# Altium PCB Fail 1.PcbDoc (part 1 of 2) (continued)
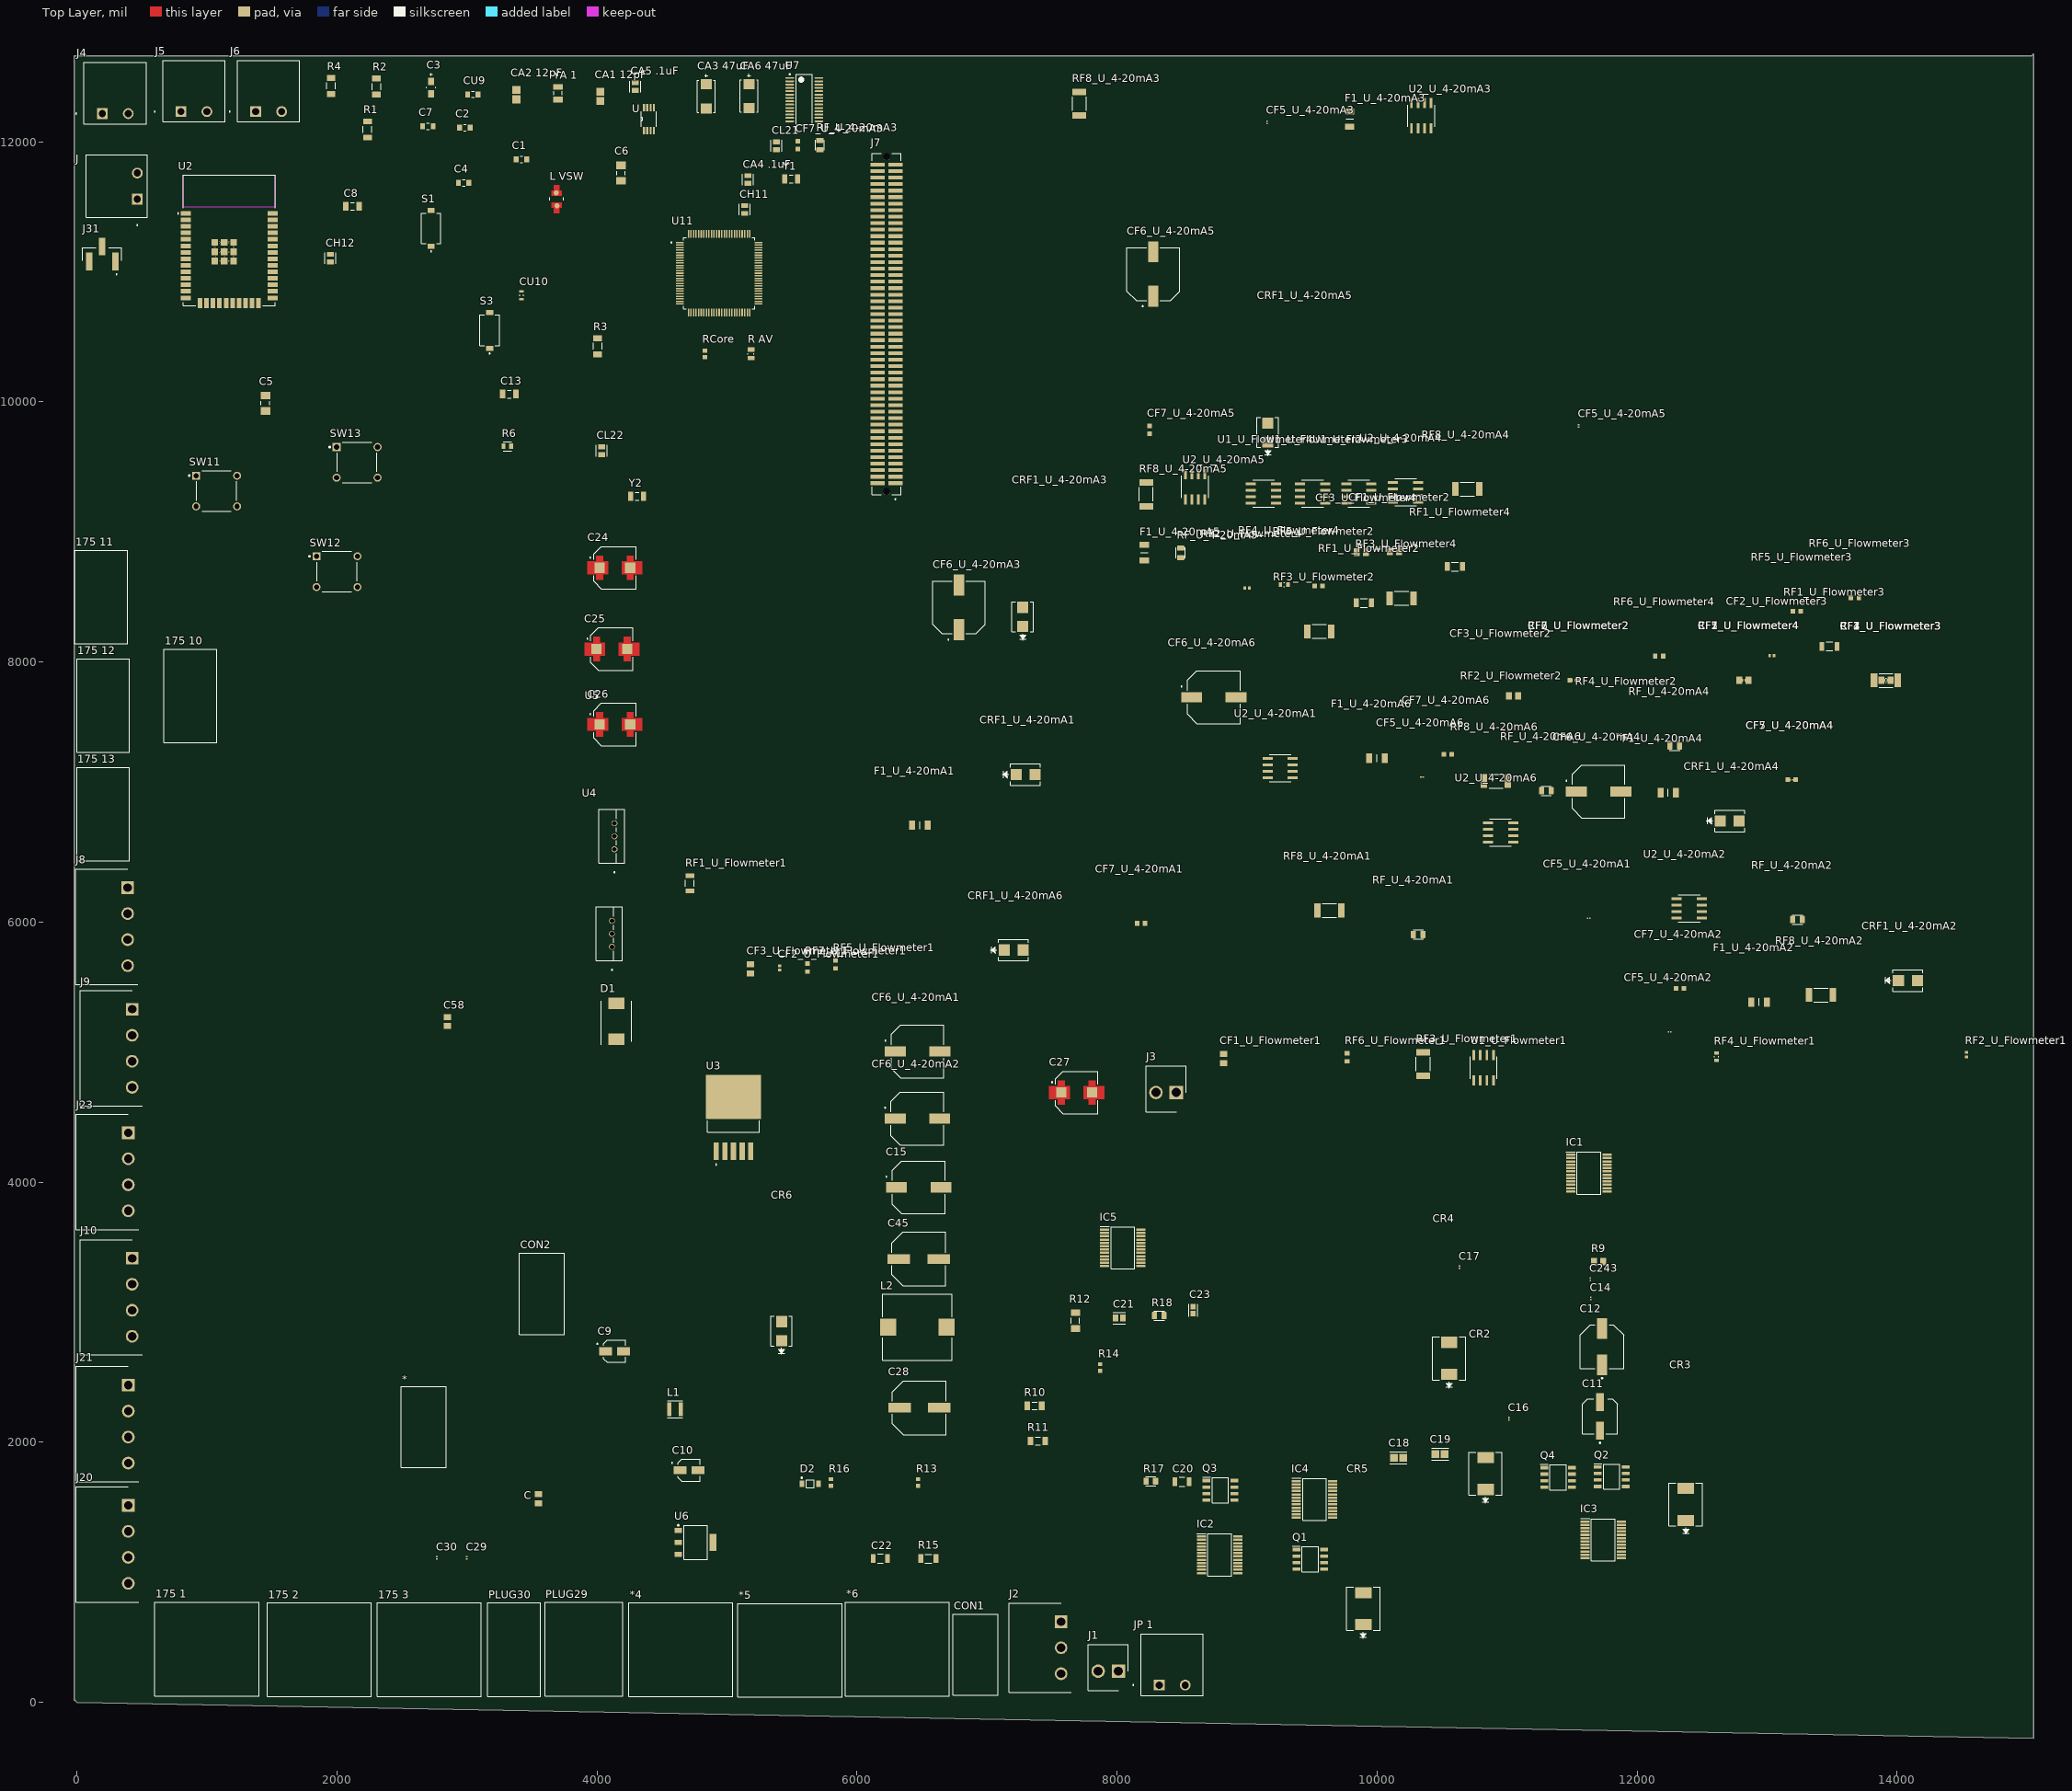
[diagram p0: Top Layer view]
## Components (designator, comment, footprint, x,y, rotation, side; value= is the part's Value field where it differs from the comment) (continued)
F1_U_4-20mA2 "0ZCJ0005FF2E" FUSC3216X85N 12940,5385 r0 top (schematic designator F1)
F1_U_4-20mA3 "0ZCJ0005FF2E" FUSC3216X85N 9790,12175 r90 top (schematic designator F1)
F1_U_4-20mA4 "0ZCJ0005FF2E" FUSC3216X85N 12240,6995 r0 top (schematic designator F1)
F1_U_4-20mA5 "0ZCJ0005FF2E" FUSC3216X85N 8210,8840 r90 top (schematic designator F1)
F1_U_4-20mA6 "0ZCJ0005FF2E" FUSC3216X85N 9999.84,7260 r0 top (schematic designator F1)
IC1 "LTC3780EG#PBF" SOP65P780X200-24N 11630,4070 r0 top
IC2 "LTC3780EG#PBF" SOP65P780X200-24N 8790,1135 r0 top
IC3 "LTC3780EG#PBF" SOP65P780X200-24N 11740,1250 r0 top
IC4 "LTC3780EG#PBF" SOP65P780X200-24N 9519.76,1560.75 r0 top
IC5 "LTC3780EG#PBF" SOP65P780X200-24N 8045,3495 r0 top
J "1757242" PHOENIX_1757242 307.5,11660 r90 top
J1 "26-48-1025" SHDR2W155P0X396_1X2_732X902X1468P 8010.91,240 r0 top
J2 "1757255" SHDRRA3W103P0X508_1X3_1724X1200X875P 7570,620 r90 top
J3 "26-48-1025" SHDR2W155P0X396_1X2_732X902X1468P 8455.91,4690 r0 top
J4 "1757242" PHOENIX_1757242 295,12375 r0 top
J5 "1757242" PHOENIX_1757242 900,12390 r0 top
J6 "1757242" PHOENIX_1757242 1475,12390 r0 top
J7 "TFM-150-22-L-D-A" SAMTEC_TFM-150-22-L-D-A 6227.52,10600 r90 top
J8 "1757268" SHDRRA4W103P0X508_1X4_2232X1200X875P 390.5,6265 r90 top
J9 "1757268" SHDRRA4W103P0X508_1X4_2232X1200X875P 425,5330 r90 top
J10 "1757268" SHDRRA4W103P0X508_1X4_2232X1200X875P 425,3415 r90 top
J20 "1757268" SHDRRA4W103P0X508_1X4_2232X1200X875P 395,1515 r90 top
J21 "1757268" SHDRRA4W103P0X508_1X4_2232X1200X875P 395,2440 r90 top
J23 "1757268" SHDRRA4W103P0X508_1X4_2232X1200X875P 395,4380 r90 top
J31 "TSM-103-01-T-SV-P-TR" SAMTEC_TSM-103-01-T-SV-P-TR 195,11137.52 r0 top
"JP 1" "1757242" PHOENIX_1757242 8425,290 r0 top
L1 "LQH3NPH101MMEL" IND_LQH3NPH101MMEL 4600,2255 r0 top
L2 "IHLP5050CEER4R7M01" FP-IHLP-5050CE-FP_3_175x3-MFG 6465,2885 r0 top
"L VSW" "LQH32MN4R7K23L" FP-LQH32CH_23-MFG 3690,11560 r90 top
PLUG29 "1762208" Connector_1762208 3880,405 r90 top
PLUG30 "1758364" Connector_1758364 3375,405 r90 top
Q1 "FDS5670" SOIC127P600X175-8N 9486.77,1100 r0 top
Q2 "FDS5670" SOIC127P600X175-8N 11805,1735 r0 top
Q3 "FDS5670" SOIC127P600X175-8N 8794.76,1630.75 r0 top
Q4 "FDS5670" SOIC127P600X175-8N 11393.23,1730 r0 top
R1 "RP73D2B10KBTG" FP-RP732B-MFG 2235,12095 r90 top value=10KΩ
R2 "RP73D2B10KBTG" FP-RP732B-MFG 2305,12425 r90 top value=10KΩ
R3 "RP73D2B10KBTG" FP-RP732B-MFG 4005,10427.99 r90 top value=10KΩ
R4 "RP73D2B10KBTG" FP-RP732B-MFG 1955,12430 r90 top value=10KΩ
R6 "CRCW060347K0FKEA" FP-CRCW0603-e3-MFG 3310.47,9660 r0 top
R9 "ERJ-6ENF10R0V" RESC2013X70X40NL20T20 11704.45,3390 r0 top
R10 "ERJ8BWFR018V" RESC3216X70X50NL05T20 7365,2280 r0 top
R11 "ERJ8BWFR018V" RESC3216X70X50NL05T20 7391.1,2010 r0 top
R12 "CRCW1206294KFKEA" RESC3216X60X45ML10T20 7680,2935 r90 top
R13 "ERJ3EKF1002V" RESC1609X55X30LL15T15 6469.76,1690.75 r90 top
R14 "ERJ3EKF1002V" RESC1609X55X30LL15T15 7870,2574.41 r90 top
R15 "RC1206JR-07100KL" RESC3116X65N 6548.27,1105 r0 top
R16 "ERJ3EKF1002V" RESC1609X55X30LL15T15 5799.76,1690.75 r90 top
R17 "CRGS0805J100R" RESC2012X65N 8259.76,1700.75 r0 top
R18 "CRGS0805J100R" RESC2012X65N 8325,2975 r0 top
"R AV" "CRCW08050000Z0EA" RESC2013X50X30LL20T20 5185,10370 r90 top
RCore "CRCW060391K0FKEA" RESC1609X50X30NL10T20 4830,10370 r90 top
RF1_U_Flowmeter1 "RC1206JR-07100KL" RESC3116X65N 4715,6298.27 r90 top (schematic designator RF1)
RF1_U_Flowmeter2 "RC1206JR-07100KL" RESC3116X65N 9900,8455 r0 top (schematic designator RF1)
RF1_U_Flowmeter3 "RC1206JR-07100KL" RESC3116X65N 13480,8120 r0 top (schematic designator RF1)
RF1_U_Flowmeter4 "RC1206JR-07100KL" RESC3116X65N 10600,8735 r0 top (schematic designator RF1)
RF2_U_Flowmeter1 "RC0402FR-073K3P" RESC1005X40N 14535,4980.71 r90 top (schematic designator RF2)
RF2_U_Flowmeter2 "RC0402FR-073K3P" RESC1005X40N 10995,7475 r0 top (schematic designator RF2)
RF2_U_Flowmeter3 "RC0402FR-073K3P" RESC1005X40N 13914.5,7859.5 r0 top (schematic designator RF2)
RF2_U_Flowmeter4 "RC0402FR-073K3P" RESC1005X40N 9000,8570 r0 top (schematic designator RF2)
RF3_U_Flowmeter1 "CRS2010AFX-1001ELF" RESC5025X70N 10355,4908.46 r90 top (schematic designator RF3)
RF3_U_Flowmeter2 "CRS2010AFX-1001ELF" RESC5025X70N 9555,8235 r0 top (schematic designator RF3)
RF3_U_Flowmeter3 "CRS2010AFX-1001ELF" RESC5025X70N 13914.5,7859.5 r0 top (schematic designator RF3)
RF3_U_Flowmeter4 "CRS2010AFX-1001ELF" RESC5025X70N 10188.46,8490 r0 top (schematic designator RF3)
RF4_U_Flowmeter1 "ERJS03F1004V" RES_ERJS03F1004V 12610,4965.71 r90 top (schematic designator RF4)
RF4_U_Flowmeter2 "ERJS03F1004V" RES_ERJS03F1004V 11878.54,7435 r0 top (schematic designator RF4)
RF4_U_Flowmeter3 "ERJS03F1004V" RES_ERJS03F1004V 13914.5,7859.5 r0 top (schematic designator RF4)
RF4_U_Flowmeter4 "ERJS03F1004V" RES_ERJS03F1004V 9286.46,8595 r0 top (schematic designator RF4)
RF5_U_Flowmeter1 "CR0603-JW-512ELF" RESC1608X55N 5835,5675 r90 top (schematic designator RF5)
RF5_U_Flowmeter2 "CR0603-JW-512ELF" RESC1608X55N 9550.71,8585 r0 top (schematic designator RF5)
RF5_U_Flowmeter3 "CR0603-JW-512ELF" RESC1608X55N 13229.29,8390 r0 top (schematic designator RF5)
RF5_U_Flowmeter4 "CR0603-JW-512ELF" RESC1608X55N 12822,7860 r0 top (schematic designator RF5)
RF6_U_Flowmeter1 "RT0603DRE072K21L" RESC1608X55N 9770,4960.71 r90 top (schematic designator RF6)
RF6_U_Flowmeter2 "RT0603DRE072K21L" RESC1608X55N 11513,7860 r0 top (schematic designator RF6)
RF6_U_Flowmeter3 "RT0603DRE072K21L" RESC1608X55N 13675.71,8495 r0 top (schematic designator RF6)
RF6_U_Flowmeter4 "RT0603DRE072K21L" RESC1608X55N 12170,8045 r0 top (schematic designator RF6)
RF7_U_Flowmeter1 "CR0603-JW-512ELF" RESC1608X55N 5620,5650 r90 top (schematic designator RF7)
RF7_U_Flowmeter2 "CR0603-JW-512ELF" RESC1608X55N 11513,7860 r0 top (schematic designator RF7)
RF7_U_Flowmeter3 "CR0603-JW-512ELF" RESC1608X55N 13914.5,7859.5 r0 top (schematic designator RF7)
RF7_U_Flowmeter4 "CR0603-JW-512ELF" RESC1608X55N 12822,7860 r0 top (schematic designator RF7)
RF8_U_4-20mA1 "CRS2010AFX-1001ELF" RESC5025X70N 9633.46,6090 r0 top (schematic designator RF8)
RF8_U_4-20mA2 "CRS2010AFX-1001ELF" RESC5025X70N 13415,5440 r0 top (schematic designator RF8)
RF8_U_4-20mA3 "CRS2010AFX-1001ELF" RESC5025X70N 7710,12293.46 r90 top (schematic designator RF8)
RF8_U_4-20mA4 "CRS2010AFX-1001ELF" RESC5025X70N 10695,9330 r0 top (schematic designator RF8)
RF8_U_4-20mA5 "CRS2010AFX-1001ELF" RESC5025X70N 8225,9290 r90 top (schematic designator RF8)
RF8_U_4-20mA6 "CRS2010AFX-1001ELF" RESC5025X70N 10915,7085 r0 top (schematic designator RF8)
RF_U_4-20mA1 "CRGS0805J100R" RESC2012X65N 10316.81,5905 r0 top (schematic designator RF)
RF_U_4-20mA2 "CRGS0805J100R" RESC2012X65N 13233.74,6020 r0 top (schematic designator RF)
RF_U_4-20mA3 "CRGS0805J100R" RESC2012X65N 5715,11975 r90 top (schematic designator RF)
RF_U_4-20mA4 "CRGS0805J100R" RESC2012X65N 12290,7355 r0 top (schematic designator RF)
RF_U_4-20mA5 "CRGS0805J100R" RESC2012X65N 8490,8840 r90 top (schematic designator RF)
RF_U_4-20mA6 "CRGS0805J100R" RESC2012X65N 11301.81,7010 r0 top (schematic designator RF)
S1 "ATS2D3G_NC_LFG" SW_ATS2D3G_NC_LFG 2725,11335 r90 top
S3 "ATS2D3G_NC_LFG" SW_ATS2D3G_NC_LFG 3175,10550 r90 top
SW11 "ESE-20C421" FP-ESE-20C421-MFG 1075,9315 r0 top
SW12 "ESE-20C421" FP-ESE-20C421-MFG 2000,8695 r0 top
SW13 "ESE-20C421" FP-ESE-20C421-MFG 2155,9535 r0 top
U "LTC6652AHMS8-2.5PBF" SOP65P490X110-8N 4400,12175 r90 top
U1_U_Flowmeter1 "LT1017IS8PBF" SO-8_S 10820,4880.71 r90 top (schematic designator U1)
U1_U_Flowmeter2 "LT1017IS8PBF" SO-8_S 9505,9294.99 r0 top (schematic designator U1)
U1_U_Flowmeter3 "LT1017IS8PBF" SO-8_S 9860,9295 r0 top (schematic designator U1)
U1_U_Flowmeter4 "LT1017IS8PBF" SO-8_S 9127,9294.99 r0 top (schematic designator U1)
U2 "ESP32-WROOM-32D" MODULE_ESP32-WROOM-32D 1172.13,11243.19 r0 top
U2_U_4-20mA1 "LT1990ACS8PBF" SO-8_S 9255,7185 r0 top (schematic designator U2)
U2_U_4-20mA2 "LT1990ACS8PBF" SO-8_S 12402,6105 r0 top (schematic designator U2)
U2_U_4-20mA3 "LT1990ACS8PBF" SO-8_S 10340,12200 r90 top (schematic designator U2)
U2_U_4-20mA4 "LT1990ACS8PBF" SO-8_S 10220,9305 r0 top (schematic designator U2)
U2_U_4-20mA5 "LT1990ACS8PBF" SO-8_S 8600,9347 r90 top (schematic designator U2)
U2_U_4-20mA6 "LT1990ACS8PBF" SO-8_S 10950,6690 r0 top (schematic designator U2)
U3 "LM2595S-5.0" VREG_TPS79625KTTR 5050,4655 r90 top
U4 "VF30100S-M3/4W" TO_0S-M3/4W_VIS 4115,5810 r90 top
U5 "VF30100S-M3/4W" TO_0S-M3/4W_VIS 4135,6560 r90 top
U6 "LT1121CST-3.3#TRPBF" LT-ST-3-SOT-223_N 4758.86,1230 r0 top
U7 "AD7718BRUZ" RU-28_N 5595,12325 r0 top
U11 "MSP432P401RIPZR" QFP50P1600X1600X160-100N 4940,10990 r0 top
Y1 "ABS07-120-32.768KHZ-T" ABRA-ABS07_A_V 5494.21,11715 r0 top
Y2 "ABS07-120-32.768KHZ-T" ABRA-ABS07_A_V 4310,9275 r0 top
"YA 1" "ABS07-32.768KHz-T" FP-ABS07-MFG 3700,12374.21 r90 top

## Footprints (in the part's own frame and the unit in brackets; to place one, negate y for a bottom-side part, rotate by r counter-clockwise, add the part's x,y. Pads: shape width x height; smd on the part's side, far side on the other; paste and mask are expansions set on the pad)
1KSMBSeries_LTF [mil]
  rect 86x86 smd paste+0 mask+0: 1(-73,0) 2(73,0)
  silkscreen extent -180,-82 115,82, body extent -110,-77 110,77, height 98
ABRA-ABS07_A_V [mm] "SMD, 2-Leads, Body 3.2x1.5mm"
  rect 1x1.8 smd: 1(-1.25,0) 2(1.25,0)
  silkscreen extent -0.35,-0.75 0.35,0.75, body extent -1.6,-0.75 1.6,0.75, height 0.9
CAP_EEEFK0J102AV [mm]
  rect 2x2 smd paste-2 mask+0: 1(-3,0) 2(3,0)
  Top Layer region: 3.65,1.25 5.35,1.25 5.35,-1.25 3.65,-1.25 3.65,-2.35 2.35,-2.35 2.35,-1.25 1.35,-1.25 1.35,1.25 2.35,1.25 2.35,2.35 3.65,2.35
  Top Layer region: -2.35,1.25 -1.35,1.25 -1.35,-1.25 -2.35,-1.25 -2.35,-2.35 -3.65,-2.35 -3.65,-1.25 -5.35,-1.25 -5.35,1.25 -3.65,1.25 -3.65,2.35 -2.35,2.35
  silkscreen extent -4.9,-4.15 4.15,4.15, body extent -4.85,-4.15 4.85,4.15, height 10.5
CAP_EEEFN1C470UR [mm]
  rect 2.5x1.6 smd: 1(-1.75,0) 2(1.75,0)
  silkscreen extent -3.45,-2.15 2.15,2.15, body extent -2.5,-2.15 2.5,2.15, height 5.81
CAP_EEVEB2V4R7Q [mm]
  rect 4.1x2 smd: 1(-4.35,0) 2(4.35,0)
  silkscreen extent -6.4,-5.15 5.15,5.15, body extent -5.85,-5.15 5.85,5.15, height 16.5
CAPC0402X22N [mm]
  rect 0.29x0.3 smd: 1(-0.222,0) 2(0.222,0)
  body extent -0.2,-0.1 0.2,0.1, height 0.22
CAPC1005X55N [mm]
  rect 0.53x0.6 smd: 1(-0.437,0) 2(0.437,0)
  body extent -0.5,-0.25 0.5,0.25, height 0.55
CAPC1608X90N [mm]
  rect 0.89x0.93 smd: 1(-0.77,0) 2(0.77,0)
  body extent -0.8,-0.4 0.8,0.4, height 0.9
CAPC1609X100X15LL20 [mm] "Chip Capacitor, 2-Leads, Body 1.60x0.85mm, IPC High Density"
  rect 0.45x0.95 smd: 1(-0.775,0) 2(0.775,0)
  silkscreen extent -0.15,-0.38 0.15,0.38, body extent -0.9,-0.53 0.9,0.53, height 1
CAPC2012X88N [mm]
  rect 1.16x1.47 smd: 1(-0.875,0) 2(0.875,0)
  body extent -1,-0.63 1,0.63, height 0.88
CAPC2012X152N [mm]
  rect 1.16x1.47 smd: 1(-0.88,0) 2(0.88,0)
  body extent -1,-0.63 1,0.63, height 1.52
CAPC2013X71X50ML20T25 [mm] "Chip Capacitor, 2-Leads, Body 2.01x1.25mm, IPC Low Density"
  rect 1.55x1.55 smd: 1(-0.925,0) 2(0.925,0)
  body extent -1.1,-0.72 1.11,0.72, height 0.71
CAPC3216X102X50LL20T25 [mm] "Chip Capacitor, 2-Leads, Body 3.20x1.60mm, IPC High Density"
  rect 1.1x1.7 smd: 1(-1.3,0) 2(1.3,0)
  silkscreen extent -0.35,-0.75 0.35,0.75, body extent -1.7,-0.9 1.7,0.9, height 1.02
CAPC3216X229X50LL20T25 [mm] "Chip Capacitor, 2-Leads, Body 3.40x1.80mm, IPC High Density"
  rect 1.1x1.7 smd: 1(-1.3,0) 2(1.3,0)
  silkscreen extent -0.35,-0.75 0.35,0.75, body extent -1.7,-0.9 1.7,0.9, height 2.29
Connector_09-50-8023 [mil]
  silkscreen extent -170,-300 175,325, body extent -171,-298 175,328, height 382
Connector_1758364 [mil]
  silkscreen extent -360,-190 360,215, body extent -360,-187 360,215, height 592
Connector_1758377 [mil]
  silkscreen extent -380,-360 420,360, body extent -380,-362 420,362, height 612
Connector_1762208 [mil]
  silkscreen extent -355,-320 365,280, body extent -354,-321 366,281, height 593
CR_3/9AT_VIS [mil]
  rect 86x126 smd paste+0 mask+0: 1(-123,0) 2(123,0)
  silkscreen extent -230,-128 165,128, body extent -160,-123 160,123, height 105
DIOM7959X262N [mm]
  rect 2.2x3.15 smd: 1(-3.5,0) 2(3.5,0)
  silkscreen extent -4.6,-2.95 3.97,2.95, body extent -3.97,-2.95 3.97,2.95, height 2.62
FP-ABS07-MFG [mm]
  rect 1.1x1.9 smd paste+0 mask+0: 1(-1.25,0) 2(1.25,0)
  silkscreen extent -0.33,-0.8 0.33,0.8, body extent -1.9,-1.05 1.9,1.05, height 0.25
FP-C0805C-DN-IPC_A [mil]
  rect 59.24x61.27 smd paste+0 mask+0: 1(-35.46,0) 2(35.46,0)
  silkscreen extent -65,-46 65,46, body extent -85,-50 85,50, height 10
FP-C0805C-DN-MFG [mm]
  rect 0.95x1.35 smd paste+0 mask+0: 1(-0.75,0) 2(0.75,0)
  silkscreen extent -1.1,-1.07 1.1,1.07, body extent -1.4,-0.85 1.4,0.85, height 0.25
FP-C1206C-EB-MFG [mm]
  rect 0.95x1.7 smd paste+0 mask+0: 1(-1.4,0) 2(1.4,0)
  silkscreen extent -0.55,-0.9 0.55,0.9, body extent -2,-1 2,1, height 0.25
FP-CC0603-DA-IPC_B [mil]
  rect 41.66x35.91 smd paste+0 mask+0: 1(-26.65,0) 2(26.65,0)
  silkscreen extent -47,-34 47,34, body extent -57,-28 57,28, height 10
FP-CC0805-0_85-IPC_C [mil]
  rect 43.49x53.39 smd paste+0 mask+0: 1(-27.59,0) 2(27.59,0)
  silkscreen extent -49,-44 49,44, body extent -53,-32 53,32, height 10
FP-CGA3E-0_3-0_1-IPC_A [mm]
  rect 0.956x1.206 smd paste+0 mask+0: 1(-1.025,0) 2(1.025,0)
  silkscreen extent -0.25,-0.6 0.25,0.6, body extent -2,-1.1 2,1.1, height 0.25
FP-CRCW0603-e3-MFG [mm]
  rect 0.75x1 smd paste+0 mask+0: 1(-0.75,0) 2(0.75,0)
  silkscreen extent -0.8,-0.9 0.8,0.9, body extent -1.22,-0.6 1.22,0.6, height 0.25
FP-ESE-20C421-MFG [mm]
  rect 1.55x1.55 hole 1 paste-1000 mask+0: a(-4,3)
  round 1.55 hole 1 paste-1000 mask+0: b(-4,-3) c(4,3) d(4,-3)
  silkscreen extent -5.47,-3.95 3.9,3.95, body extent -4.87,-4.05 4.87,4.05, height 0.25
FP-HAF-MFG [mm]
  rect 4x2 smd paste+0 mask+0: 1(-3.55,0) 2(3.55,0)
  silkscreen extent -6.27,-4.25 4.25,4.25, body extent -5.8,-4.5 5.8,4.5, height 0.25
FP-IHLP-5050CE-FP_3_175x3-MFG [mm]
  rect 3.175x3.3 smd paste+0 mask+0: 1(-5.715,0) 2(5.715,0)
  silkscreen extent -6.79,-6.45 6.79,6.45, body extent -7.4,-6.55 7.4,6.55, height 0.25
FP-LQH32CH_23-MFG [mil]
  round 39.16 smd paste+0 mask+0: 1(-51.67,-2.46)
  round 39.86 smd paste+0 mask+0: 2(47.74,2.46)
  Top Layer region: 25.59,-39.37 25.59,39.37 64.96,39.37 64.96,19.68 108.27,19.68 108.27,-19.68 64.96,-19.68 64.96,-39.37
  Top Layer region: -64.96,-39.37 -64.96,-19.68 -108.27,-19.68 -108.27,19.68 -64.96,19.68 -64.96,39.37 -25.59,39.37 -25.59,-39.37
  silkscreen extent -11,-53 11,53, body extent -112,-57 112,57, height 10
FP-RP732B-MFG [mm]
  rect 1.15x1.7 smd paste+0 mask+0: 1(-1.575,0) 2(1.575,0)
  silkscreen extent -0.63,-0.85 0.63,0.85, body extent -2.25,-0.95 2.25,0.95, height 0.25
FP-SVPFC6-MFG [mm]
  rect 3.5x1.6 smd paste+0 mask+0: 1(-2.8,0) 2(2.8,0)
  silkscreen extent -5.3,-3.4 3.4,3.4, body extent -4.8,-3.65 4.8,3.65, height 0.25
FP-T491C476K016AT-MFG [mm]
  rect 1.99x2.13 smd paste+0 mask+0: 1(-2.36,0) 2(2.36,0)
  silkscreen extent -3.15,-1.75 4.33,1.75, body extent -3.48,-1.87 3.48,1.87, height 0.25
FP-T520A106M010ATE080-MFG [mm]
  rect 1.42x1.13 smd paste+0 mask+0: 1(-1.2,0) 2(1.2,0)
  silkscreen extent -0.12,-0.9 2.8,0.9, body extent -2.03,-1.02 2.03,1.02, height 0.25
FUSC3216X85N [mm]
  rect 1.17x1.82 smd: 1(-1.52,0) 2(1.52,0)
  silkscreen extent 0,-0.72 0,0.72, body extent -1.63,-0.82 1.63,0.82, height 0.85
IND_LQH3NPH101MMEL [mm]
  rect 0.8x2.7 smd: 1(-1.1,0) 2(1.1,0)
  silkscreen extent -1.5,-1.67 1.5,1.67, body extent -1.5,-1.5 1.5,1.5, height 1.5
KEMT-1206-2_M [mm] "SMD, 2-Leads, Body 3.4x1.8mm, IPC Low Density"
  rect 1.5x1.9 smd: 1(-1.5,0) 2(1.5,0)
  silkscreen extent -0.35,-0.85 0.35,0.85, body extent -1.7,-0.9 1.7,0.9, height 0.88
LT-ST-3-SOT-223_N [mm] "SOT223, 4-Leads, Body 6.505x3.505mm, Pitch 2.3mm, IPC Medium Density"
  rect 1.4x1 smd: 1(-3.4,2.3) 2(-3.4,0) 3(-3.4,-2.3)
  rect 1.4x3.25 smd: 4(3.4,0)
  silkscreen extent -3.52,-3.35 2.3,3.47, body extent -1.86,-3.35 1.86,3.35, height 1.8
MODULE_ESP32-WROOM-32D [mm]
  rect 2x0.9 smd: 1(-8.5,5.26) 2(-8.5,3.99) 3(-8.5,2.72) 4(-8.5,1.45) 5(-8.5,0.18) 6(-8.5,-1.09) 7(-8.5,-2.36) 8(-8.5,-3.63) 9(-8.5,-4.9) 10(-8.5,-6.17) 11(-8.5,-7.44) 12(-8.5,-8.71) 13(-8.5,-9.98) 14(-8.5,-11.25) 25(8.5,-11.25) 26(8.5,-9.98) 27(8.5,-8.71) 28(8.5,-7.44) 29(8.5,-6.17) 30(8.5,-4.9) 31(8.5,-3.63) 32(8.5,-2.36) 33(8.5,-1.09) 34(8.5,0.18) 35(8.5,1.45) 36(8.5,2.72) 37(8.5,3.99) 38(8.5,5.26)
  rect 0.9x2 smd: 15(-5.715,-12.25) 16(-4.445,-12.25) 17(-3.175,-12.25) 18(-1.905,-12.25) 19(-0.635,-12.25) 20(0.635,-12.25) 21(1.905,-12.25) 22(3.175,-12.25) 23(4.445,-12.25) 24(5.715,-12.25)
  rect 1.33x1.33 smd: 39_1(-2.835,-0.405) 39_2(-1,-0.405) 39_3(0.835,-0.405) 39_4(-2.835,-2.24) 39_5(-1,-2.24) 39_6(0.835,-2.24) 39_7(-2.835,-4.075) 39_8(-1,-4.075) 39_9(0.835,-4.075)
  round 0.3 hole 0.2: 39_10(-1.917,-0.405) 39_11(-0.082,-0.405) 39_12(-2.835,-1.322) 39_13(-1,-1.322) 39_14(0.835,-1.322) 39_15(-1.917,-2.24) 39_16(-0.082,-2.24) 39_17(-2.835,-3.157) 39_18(-1,-3.157) 39_19(0.835,-3.157) 39_20(-1.917,-4.075) 39_21(-0.082,-4.075)
  Keep-Out Layer region: 9,6.45 -9,6.45 -9,12.75 9,12.75
  Keep-Out Layer region: 9,6.45 -9,6.45 -9,12.75 9,12.75
  silkscreen extent -10.1,-12.75 9,12.75
ONSC-SOD-123-2-425-04_V [mm] "SOD, 2-Leads, Body 2.69x1.6mm"
  rect 0.91x1.22 smd: 1(-1.635,0) 2(1.635,0)
  silkscreen extent -1.76,-0.8 0.78,1.28, body extent -1.35,-0.8 1.35,0.8, height 1.35
PHOENIX_1757242 [mm]
  rect 2.1x2.1 hole 1.4: 1(-2.54,-4)
  round 2.1 hole 1.4: 2(2.54,-4)
  silkscreen extent -7.72,-6 6.08,6, body extent -6,-6.04 6,6.04, height 8.6
PNSC-EEE-1HA221P_L [mm] "Aluminum Electrolytic Capacitor, 2-Leads, Body 10.5x10.5mm, IPC High Density"
  rect 4.4x1.9 smd: 1(-3.875,0) 2(3.875,0)
  silkscreen extent -5.25,-5.25 5.25,5.25, body extent -5.36,-5.25 5.36,5.25, height 10.5
QFP50P1600X1600X160-100N [mm]
  rrect25% 1.47x0.28 smd: 1(-7.67,6) 2(-7.67,5.5) 3(-7.67,5) 4(-7.67,4.5) 5(-7.67,4) 6(-7.67,3.5) 7(-7.67,3) 8(-7.67,2.5) 9(-7.67,2) 10(-7.67,1.5) 11(-7.67,1) 12(-7.67,0.5) 13(-7.67,0) 14(-7.67,-0.5) 15(-7.67,-1) 16(-7.67,-1.5) 17(-7.67,-2) 18(-7.67,-2.5) 19(-7.67,-3) 20(-7.67,-3.5) 21(-7.67,-4) 22(-7.67,-4.5) 23(-7.67,-5) 24(-7.67,-5.5) 25(-7.67,-6) 51(7.67,-6) 52(7.67,-5.5) 53(7.67,-5) 54(7.67,-4.5) 55(7.67,-4) 56(7.67,-3.5) 57(7.67,-3) 58(7.67,-2.5) 59(7.67,-2) 60(7.67,-1.5) 61(7.67,-1) 62(7.67,-0.5) 63(7.67,0) 64(7.67,0.5) 65(7.67,1) 66(7.67,1.5) 67(7.67,2) 68(7.67,2.5) 69(7.67,3) 70(7.67,3.5) 71(7.67,4) 72(7.67,4.5) 73(7.67,5) 74(7.67,5.5) 75(7.67,6)
  rrect25% 0.28x1.47 smd: 26(-6,-7.67) 27(-5.5,-7.67) 28(-5,-7.67) 29(-4.5,-7.67) 30(-4,-7.67) 31(-3.5,-7.67) 32(-3,-7.67) 33(-2.5,-7.67) 34(-2,-7.67) 35(-1.5,-7.67) 36(-1,-7.67) 37(-0.5,-7.67) 38(0,-7.67) 39(0.5,-7.67) 40(1,-7.67) 41(1.5,-7.67) 42(2,-7.67) 43(2.5,-7.67) 44(3,-7.67) 45(3.5,-7.67) 46(4,-7.67) 47(4.5,-7.67) 48(5,-7.67) 49(5.5,-7.67) 50(6,-7.67) 76(6,7.67) 77(5.5,7.67) 78(5,7.67) 79(4.5,7.67) 80(4,7.67) 81(3.5,7.67) 82(3,7.67) 83(2.5,7.67) 84(2,7.67) 85(1.5,7.67) 86(1,7.67) 87(0.5,7.67) 88(0,7.67) 89(-0.5,7.67) 90(-1,7.67) 91(-1.5,7.67) 92(-2,7.67) 93(-2.5,7.67) 94(-3,7.67) 95(-3.5,7.67) 96(-4,7.67) 97(-4.5,7.67) 98(-5,7.67) 99(-5.5,7.67) 100(-6,7.67)
  silkscreen extent -9.44,-7 7,7
RES_ERJS03F1004V [mm]
  rect 0.65x0.9 smd: 1(-0.725,0) 2(0.725,0)
  silkscreen extent -0.08,-0.4 0.08,0.4, body extent -0.8,-0.4 0.8,0.4, height 0.45
RESC1005X40N [mm]
  rect 0.54x0.6 smd: 1(-0.432,0) 2(0.432,0)
  body extent -0.5,-0.25 0.5,0.25, height 0.4
RESC1608X55N [mm]
  rect 0.87x0.93 smd: 1(-0.78,0) 2(0.78,0)
  body extent -0.8,-0.4 0.8,0.4, height 0.55
RESC1609X50X30NL10T20 [mm] "Chip Resistor, 2-Leads, Body 1.55x0.85mm, IPC Medium Density"
  rect 0.8x0.95 smd: 1(-0.625,0) 2(0.625,0)
  body extent -0.82,-0.48 0.82,0.48, height 0.5
RESC1609X55X30LL15T15 [mm] "Chip Resistor, 2-Leads, Body 1.75x0.95mm, IPC High Density"
  rect 0.75x0.85 smd: 1(-0.65,0) 2(0.65,0)
  body extent -0.87,-0.48 0.87,0.48, height 0.55
RESC2012X65N [mm]
  rrect25% 1x1.42 smd: 1(-0.935,0) 2(0.935,0)
  silkscreen extent -1,-0.89 1,0.89, body extent -1,-0.63 1,0.63, height 0.6
RESC2013X50X30LL20T20 [mm] "Chip Resistor, 2-Leads, Body 2.00x1.25mm, IPC High Density"
  rect 0.85x1.35 smd: 1(-0.825,0) 2(0.825,0)
  silkscreen extent -0.1,-0.58 0.1,0.58, body extent -1.1,-0.72 1.1,0.72, height 0.5
RESC2013X70X40NL20T20 [mm] "Chip Resistor, 2-Leads, Body 2.00x1.25mm, IPC Medium Density"
  rect 1.15x1.45 smd: 1(-0.875,0) 2(0.875,0)
  body extent -1.1,-0.72 1.1,0.72, height 0.7
RESC3116X65N [mm]
  rect 0.97x1.73 smd: 1(-1.48,0) 2(1.48,0)
  silkscreen extent -0.67,-0.85 0.67,0.85, body extent -1.55,-0.8 1.55,0.8, height 0.65
RESC3216X60X45ML10T20 [mm] "Chip Resistor, 2-Leads, Body 3.20x1.60mm, IPC Low Density"
  rect 1.3x1.8 smd: 1(-1.55,0) 2(1.55,0)
  silkscreen extent -0.5,-0.8 0.5,0.8, body extent -1.65,-0.85 1.65,0.85, height 0.6
RESC3216X70X50NL05T20 [mm] "Chip Resistor, 2-Leads, Body 3.20x1.60mm, IPC Medium Density"
  rect 1.1x1.65 smd: 1(-1.425,0) 2(1.425,0)
  silkscreen extent -0.5,-0.72 0.5,0.72, body extent -1.63,-0.82 1.62,0.82, height 0.7
RESC5025X70N [mm]
  rect 1.26x2.72 smd: 1(-2.325,0) 2(2.325,0)
  silkscreen extent -1.37,-1.35 1.37,1.35, body extent -2.5,-1.25 2.5,1.25, height 0.7
RU-28_N [mm] "TSOP, 28-Leads, Body 9.7x4.4mm, Pitch 0.65mm, IPC Medium Density"
  oval 1.7x0.35 smd: 1(-2.85,4.225) 2(-2.85,3.575) 3(-2.85,2.925) 4(-2.85,2.275) 5(-2.85,1.625) 6(-2.85,0.975) 7(-2.85,0.325) 8(-2.85,-0.325) 9(-2.85,-0.975) 10(-2.85,-1.625) 11(-2.85,-2.275) 12(-2.85,-2.925) 13(-2.85,-3.575) 14(-2.85,-4.225) 15(2.85,-4.225) 16(2.85,-3.575) 17(2.85,-2.925) 18(2.85,-2.275) 19(2.85,-1.625) 20(2.85,-0.975) 21(2.85,-0.325) 22(2.85,0.325) 23(2.85,0.975) 24(2.85,1.625) 25(2.85,2.275) 26(2.85,2.925) 27(2.85,3.575) 28(2.85,4.225)
  silkscreen extent -2.97,-4.9 1.6,5.07, body extent -2.25,-4.9 2.25,4.9, height 1.2
SAMTEC_TFM-150-22-L-D-A [mm]
  rect 0.74x2.79 smd: 01(-31.115,-1.715) 02(-31.115,1.715) 03(-29.845,-1.715) 04(-29.845,1.715) 05(-28.575,-1.715) 06(-28.575,1.715) 07(-27.305,-1.715) 08(-27.305,1.715) 09(-26.035,-1.715) 10(-26.035,1.715) 11(-24.765,-1.715) 12(-24.765,1.715) 13(-23.495,-1.715) 14(-23.495,1.715) 15(-22.225,-1.715) 16(-22.225,1.715) 17(-20.955,-1.715) 18(-20.955,1.715) 19(-19.685,-1.715) 20(-19.685,1.715) 21(-18.415,-1.715) 22(-18.415,1.715) 23(-17.145,-1.715) 24(-17.145,1.715) 25(-15.875,-1.715) 26(-15.875,1.715) 27(-14.605,-1.715) 28(-14.605,1.715) 29(-13.335,-1.715) 30(-13.335,1.715) 31(-12.065,-1.715) 32(-12.065,1.715) 33(-10.795,-1.715) 34(-10.795,1.715) 35(-9.525,-1.715) 36(-9.525,1.715) 37(-8.255,-1.715) 38(-8.255,1.715) 39(-6.985,-1.715) 40(-6.985,1.715) 41(-5.715,-1.715) 42(-5.715,1.715) 43(-4.445,-1.715) 44(-4.445,1.715) 45(-3.175,-1.715) 46(-3.175,1.715) 47(-1.905,-1.715) 48(-1.905,1.715) 49(-0.635,-1.715) 50(-0.635,1.715) 51(0.635,-1.715) 52(0.635,1.715) 53(1.905,-1.715) 54(1.905,1.715) 55(3.175,-1.715) 56(3.175,1.715) 57(4.445,-1.715) 58(4.445,1.715) 59(5.715,-1.715) 60(5.715,1.715) 61(6.985,-1.715) 62(6.985,1.715) 63(8.255,-1.715) 64(8.255,1.715) 65(9.525,-1.715) 66(9.525,1.715) 67(10.795,-1.715) 68(10.795,1.715) 69(12.065,-1.715) 70(12.065,1.715) 71(13.335,-1.715) 72(13.335,1.715) 73(14.605,-1.715) 74(14.605,1.715) 75(15.875,-1.715) 76(15.875,1.715) 77(17.145,-1.715) 78(17.145,1.715) 79(18.415,-1.715) 80(18.415,1.715) 81(19.685,-1.715) 82(19.685,1.715) 83(20.955,-1.715) 84(20.955,1.715) 85(22.225,-1.715) 86(22.225,1.715) 87(23.495,-1.715) 88(23.495,1.715) 89(24.765,-1.715) 90(24.765,1.715) 91(26.035,-1.715) 92(26.035,1.715) 93(27.305,-1.715) 94(27.305,1.715) 95(28.575,-1.715) 96(28.575,1.715) 97(29.845,-1.715) 98(29.845,1.715) 99(31.115,-1.715) 100(31.115,1.715)
  round 1.42 hole 1.42 unplated: ""(-32.705,0) ""(32.705,0)
  silkscreen extent -34.34,-2.86 33.34,2.86
SAMTEC_TSM-103-01-T-SV-P-TR [mm]
  rect 1.27x3.43 smd: 01(2.54,-1.46) 02(0,1.46) 03(-2.54,-1.46)
  silkscreen extent -3.81,-4.03 3.81,1.27
SHDR2W155P0X396_1X2_732X902X1468P [mm]
  rect 2.625x2.625 hole 1.75: 1(0,0)
  round 2.625 hole 1.75: 2(-3.96,0)
  silkscreen extent -5.91,-3.8 1.95,5.22, body extent -5.64,-4.51 1.68,4.51, height 14.68
SHDRRA3W103P0X508_1X3_1724X1200X875P [mm]
  rect 2.475x2.475 hole 1.65: 1(0,0)
  round 2.475 hole 1.65: 2(-5.08,0) 3(-10.16,0)
  silkscreen extent -13.75,-2 3.64,10.15, body extent -13.7,-2 3.54,10, height 8.75
SHDRRA4W103P0X508_1X4_2232X1200X875P [mm]
  rect 2.475x2.475 hole 1.65: 1(0,0)
  round 2.475 hole 1.65: 2(-5.08,0) 3(-10.16,0) 4(-15.24,0)
  silkscreen extent -18.88,-2 3.64,10.15, body extent -18.78,-2 3.54,10, height 8.75
SO-8_S [mil]
  rect 78x21 smd: 1(-97,75) 2(-97,25) 3(-97,-25) 4(-97,-75) 5(97,-75) 6(97,-25) 7(97,25) 8(97,75)
  silkscreen extent -84,-104 84,104, body extent -118,-97 118,97, height 69
SOIC127P600X175-8N [mm]
  rect 1.525x0.65 smd: 1(-2.712,1.905) 2(-2.712,0.635) 3(-2.712,-0.635) 4(-2.712,-1.905) 5(2.712,-1.905) 6(2.712,-0.635) 7(2.712,0.635) 8(2.712,1.905)
  silkscreen extent -3.47,-2.45 1.6,2.58, body extent -3,-2.45 3,2.45, height 1.75
SOP65P490X110-8N [mil]
  rect 55x17 smd: 1(-89,38) 2(-89,13) 3(-89,-13) 4(-89,-38) 5(89,-38) 6(89,-13) 7(89,13) 8(89,38)
  silkscreen extent -57,-59 57,59
SOP65P780X200-24N [mm]
  rect 1.8x0.45 smd: 1(-3.55,3.575) 2(-3.55,2.925) 3(-3.55,2.275) 4(-3.55,1.625) 5(-3.55,0.975) 6(-3.55,0.325) 7(-3.55,-0.325) 8(-3.55,-0.975) 9(-3.55,-1.625) 10(-3.55,-2.275) 11(-3.55,-2.925) 12(-3.55,-3.575) 13(3.55,-3.575) 14(3.55,-2.925) 15(3.55,-2.275) 16(3.55,-1.625) 17(3.55,-0.975) 18(3.55,-0.325) 19(3.55,0.325) 20(3.55,0.975) 21(3.55,1.625) 22(3.55,2.275) 23(3.55,2.925) 24(3.55,3.575)
  silkscreen extent -4.45,-4.1 2.3,4.15, body extent -3.9,-4.1 3.9,4.1, height 2
SW_ATS2D3G_NC_LFG [mm]
  rect 1x1.4 smd: 1(-3.5,0) 2(3.5,0)
  silkscreen extent -4.6,-1.9 3,1.9
TO_0S-M3/4W_VIS [mil]
  round 45 hole 35 mask+0: 1(0,0) 2(100,0) 3(200,0)
  silkscreen extent -182,-80 307,120, body extent -102,-60 302,130, height 635
VREG_TPS79625KTTR [mm]
  rect 3.4x1 smd paste-3 mask+0: 1(-10.6,3.4) 2(-10.6,1.7) 3(-10.6,0) 4(-10.6,-1.7) 5(-10.6,-3.4)
  rect 8.6x10.7 smd paste-6 mask+0: 6(0,0)
  silkscreen extent -13.3,-5.08 -4.62,5.08, body extent -11.24,-5.08 3.11,5.08, height 4.8